# Altium PCB spd150.PcbDoc (part 2 of 16) (continued)
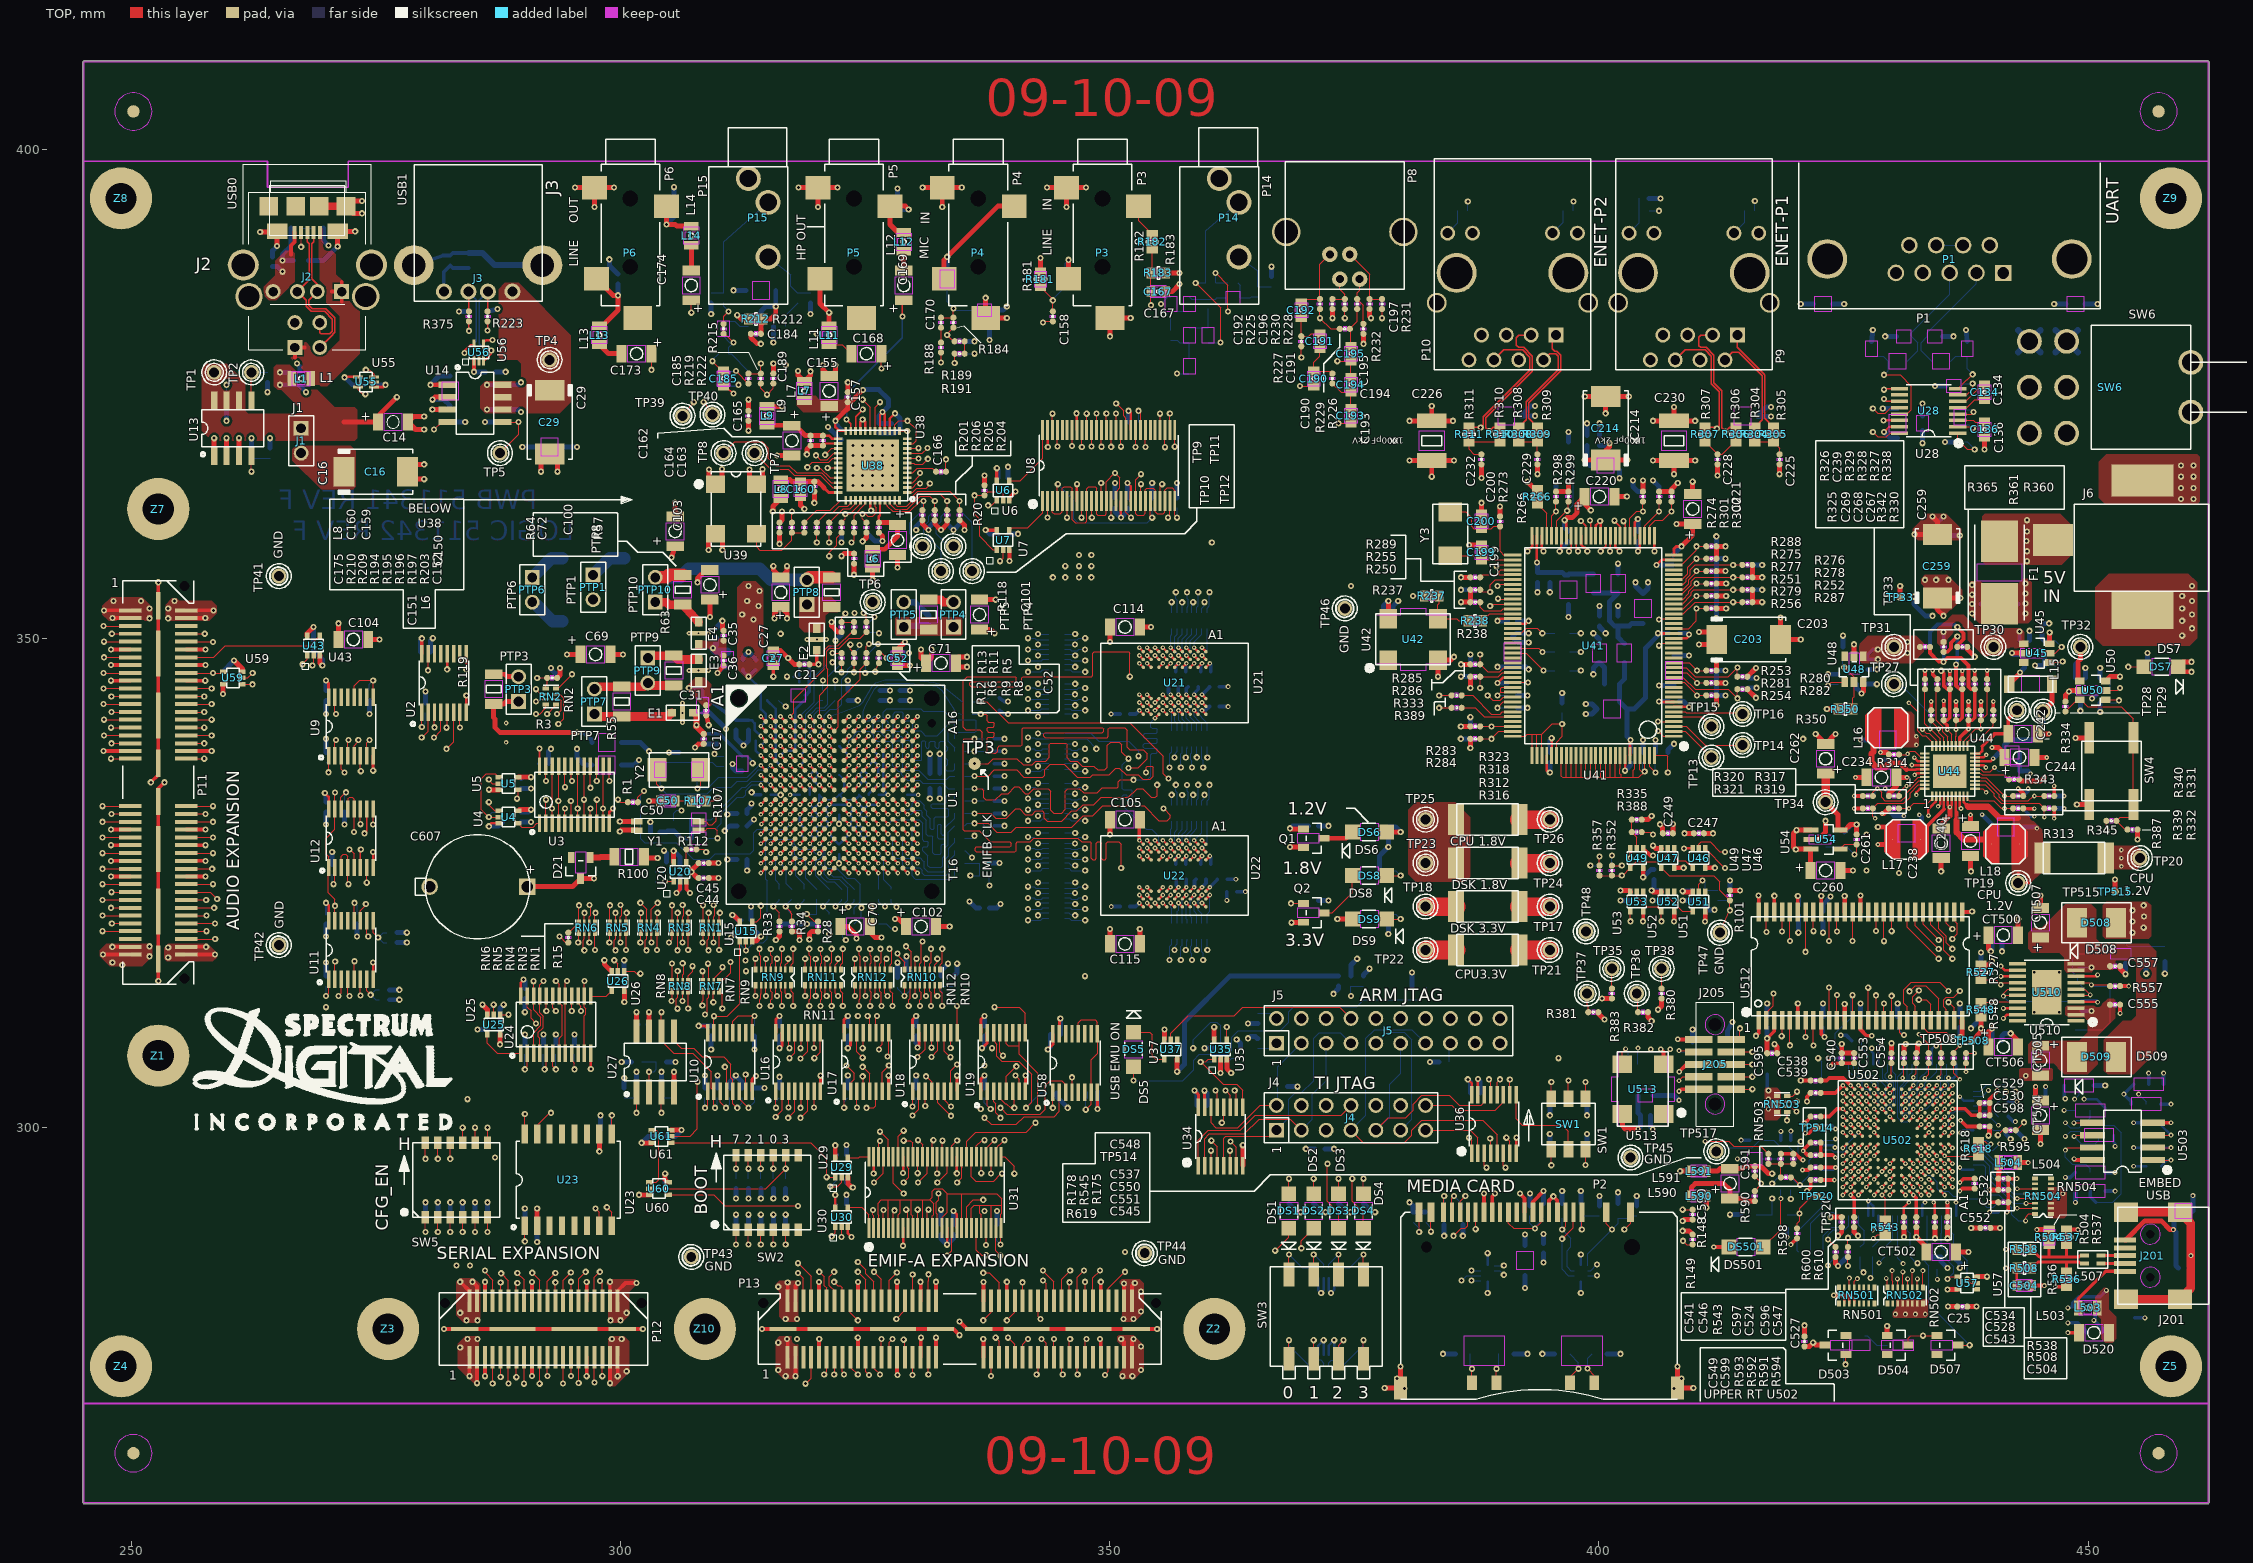
[diagram p0: TOP view]
## Components (designator, comment, footprint, x,y, rotation, side; value= is the part's Value field where it differs from the comment) (continued)
U28 "MAX3221_0_PW16-14X70_MAX3221CPW" PW16-14X70 433.705,373.253 r90 top
U29 "1G08_DCK-5_1G08" DCK-5 322.58,295.91 r0 top
U30 "1G02_0_DCK-5_1G02" DCK-5 322.58,290.83 r0 top
U31 "SN74CBT16212DGGR_DGG56-12X80_SN" DGG56-12X80 332.105,293.37 r0 top
U32 "TPDE0001RSE_RSE10_TPD6E001RSE" RSE10 398.132,285.128 r90 bottom
U33 "TPDE0001RSE_RSE10_TPD6E001RSE" RSE10 388.607,285.128 r90 bottom
U34 "SN74CBT3257_0_TSSOP16-14X70_SN7" TSSOP16-14X70 361.315,299.085 r0 top
U35 "1G032_0_DCK-5_SN74LVC1G32" DCK-5 361.315,307.975 r0 top
U36 "SN74CBT3257_0_TSSOP16-14X70_SN7" TSSOP16-14X70 389.255,300.355 r0 top
U37 "SN74LVC1GU04_0_DCK-5_SN74AHC1G1" DCK-5 356.235,307.975 r180 top
U38 "TLV320AIC3106_0_RGZ48-11X34_TVL" RGZ48-11X34 325.755,367.665 r90 top
U39 "OSC4/SM_0_XTAL4-70X78-CTX_24.57" XTAL4-70X78-CTX 311.785,363.22 r270 top
U40 "TPA4861D_SO8-25X75_TPA4861D" SO8-25X75#2 314.96,379.095 r0 bottom
U41 "KS8995_MULTI_0_PQFP128REC-12X70" PQFP128REC-12X70 399.415,349.186 r90 top
U42 "OSC_0_OSC4-71X79_50.000 MHZ" OSC4-71X79 381,349.885 r0 top
U43 "SN74LVC1G125_DCK-5_SN74CBTLV1G1" DCK-5 268.605,349.25 r0 top
U44 "TPS65023_0_RSB40-9X39_TPS65023" RSB40-9X39 435.864,336.423 r0 top
U45 "TPS3808G09DBVR_0_DBV6-27X39-6_T" DBV6-27X39-6 444.754,348.488 r270 top
U46 "1G08_DCK-5_1G08" DCK-5 410.21,327.533 r180 top
U47 "1G08_DCK-5_1G08" DCK-5 407.035,327.533 r180 top
U48 "TPS3808G09DBVR_0_DBV6-27X39-6_T" DBV6-27X39-6 426.075,346.852 r180 top
U49 "1G08_DCK-5_1G08" DCK-5 403.86,327.533 r180 top
U50 "TPS3808G09DBVR_0_DBV6-27X39-6_T" DBV6-27X39-6 450.469,344.678 r270 top
U51 "SN74LVC1GU04_1_DCK-5_SN74AHC14D" DCK-5 410.21,323.088 r180 top
U52 "SN74LVC1GU04_1_DCK-5_SN74AHC14D" DCK-5 407.035,323.088 r180 top
U53 "SN74LVC1GU04_1_DCK-5_SN74AHC14D" DCK-5 403.86,323.088 r180 top
U54 "U-TPS79901 - 1.19 TO 6.5V 200MA" SOT23-20X60-5 423.164,329.438 r270 top
U55 "TPDE0001RSE_0_DRL5-12X40_TPD2E0" DRL5-12X40 273.975,376.215 r90 top
U56 "TPDE0001RSE_0_DRL5-12X40_TPD2E0" DRL5-12X40 285.496,379.222 r0 top
U57 "SN74LVC1GU04_0_DCK-5_SN74LVC1G0" DCK-5 437.642,284.099 r90 top
U58 "SN74CBT3257PW_TSSOP16-14X70_SN7" TSSOP16-14X70 346.456,306.578 r0 top
U59 "SN74LVC1G125_DCK-5_74CBTLV1G125" DCK-5 260.35,345.948 r90 top
U60 "SN74LVC1G125_DCK-5_SN74LVC1G125" DCK-5 303.911,293.751 r270 top
U61 "1G08_DCK-5_1G08" DCK-5 304.165,299.085 r90 top
U502 "TMS320VC5409GHH_2_BGA179-13P8RD" BGA179-13P8RD 430.53,298.704 r180 top
U503 "24WC256_0_SO8-25X75-295_24WC256" SO8-25X75-295 453.517,298.577 r90 top
U510 "TPS70202PWP_0_PWP20-14X70-PAD_T" PWP20-14X70-PAD 445.77,313.804 r90 top
U511 "ACT54SXVQ100_0_TQFP-100_506173-" TQFP-100 430.53,298.704 r180 bottom
U512 "MT48LC1M16A1TGS_0_TSOP54-MICRON" TSOP54-MICRON-18X75 426.72,316.484 r0 top
U513 "CLK-4PIN_0_OSC4-71X79_24 MHZ" OSC4-71X79 404.495,303.911 r90 top
Y1 "CRYSTAL_0_XTAL4-23X47-SSP-T7_32" XTAL4-23X47-SSP-T7 304.8,330.835 r180 top
Y2 "CRYSTAL_0_XTAL2-75X94_24MHZ" XTAL2-75X94 305.943,336.55 r180 top
Y3 "CRYSTAL_0_XTAL2-75X94_NO-POP" XTAL2-75X94 384.81,360.68 r270 top
Z1 "TESTPOINT1_MHP125-250_TESTPOINT" MHP125-250 252.73,307.34 r0 top
Z2 "TESTPOINT1_MHP125-250_MNTHOLE" MHP125-250 360.68,279.4 r0 top
Z3 "TESTPOINT1_MHP125-250_MNTHOLE" MHP125-250 276.225,279.4 r0 top
Z4 "TESTPOINT1_MHP125-250_MNTHOLE" MHP125-250 248.92,275.59 r0 top
Z5 "TESTPOINT1_MHP125-250_MNTHOLE" MHP125-250 458.47,275.59 r0 top
Z7 "TESTPOINT1_MHP125-250_TESTPOINT" MHP125-250 252.73,363.22 r0 top
Z8 "TESTPOINT1_MHP125-250_MNTHOLE" MHP125-250 248.92,394.97 r0 top
Z9 "TESTPOINT1_MHP125-250_MNTHOLE" MHP125-250 458.47,394.97 r0 top
Z10 "TESTPOINT1_MHP125-250_MNTHOLE" MHP125-250 308.61,279.4 r0 top

## Footprints (in the part's own frame and the unit in brackets; to place one, negate y for a bottom-side part, rotate by r counter-clockwise, add the part's x,y. Pads: shape width x height; smd on the part's side, far side on the other; paste and mask are expansions set on the pad)
BGA54-3X9-ISSI [mil] "BGA54-3X9-ISSI"
  round 13.8 smd: A1(-126,126) A2(-94.5,126) A3(-63,126) A7(63,126) A8(94.5,126) A9(126,126) B1(-126,94.5) B2(-94.5,94.5) B3(-63,94.5) B7(63,94.5) B8(94.5,94.5) B9(126,94.5) C1(-126,63) C2(-94.5,63) C3(-63,63) C7(63,63) C8(94.5,63) C9(126,63) D1(-126,31.5) D2(-94.5,31.5) D3(-63,31.5) D7(63,31.5) D8(94.5,31.5) D9(126,31.5) E1(-126,0) E2(-94.5,0) E3(-63,0) E7(63,0) E8(94.5,0) E9(126,0) F1(-126,-31.5) F2(-94.5,-31.5) F3(-63,-31.5) F7(63,-31.5) F8(94.5,-31.5) F9(126,-31.5) G1(-126,-63) G2(-94.5,-63) G3(-63,-63) G7(63,-63) G8(94.5,-63) G9(126,-63) H1(-126,-94.5) H2(-94.5,-94.5) H3(-63,-94.5) H7(63,-94.5) H8(94.5,-94.5) H9(126,-94.5) J1(-126,-126) J2(-94.5,-126) J3(-63,-126) J7(63,-126) J8(94.5,-126) J9(126,-126)
  silkscreen extent -160,-297 160,297
BGA179-13P8RD [mm] "BGA179-13P8RD"
  round 0.351 smd: A2(-4.402,5.202) A3(-3.602,5.202) A4(-2.802,5.202) A5(-2.002,5.202) A6(-1.201,5.202) A7(-0.401,5.202) A8(0.401,5.202) A9(1.201,5.202) A10(2.002,5.202) A11(2.802,5.202) A12(3.602,5.202) A13(4.402,5.202) A14(5.202,5.202) B1(-5.202,4.402) B2(-4.402,4.402) B3(-3.602,4.402) B4(-2.802,4.402) B5(-2.002,4.402) B6(-1.201,4.402) B7(-0.401,4.402) B8(0.401,4.402) B9(1.201,4.402) B10(2.002,4.402) B11(2.802,4.402) B12(3.602,4.402) B13(4.402,4.402) B14(5.202,4.402) C1(-5.202,3.602) C2(-4.402,3.602) C3(-3.602,3.602) C4(-2.802,3.602) C5(-2.002,3.602) C6(-1.201,3.602) C7(-0.401,3.602) C8(0.401,3.602) C9(1.201,3.602) C10(2.002,3.602) C11(2.802,3.602) C12(3.602,3.602) C13(4.402,3.602) C14(5.202,3.602) D1(-5.202,2.802) D2(-4.402,2.802) D3(-3.602,2.802) D4(-2.802,2.802) D5(-2.002,2.802) D6(-1.201,2.802) D7(-0.401,2.802) D8(0.401,2.802) D9(1.201,2.802) D10(2.002,2.802) D11(2.802,2.802) D12(3.602,2.802) D13(4.402,2.802) D14(5.202,2.802) E1(-5.202,2.002) E2(-4.402,2.002) E3(-3.602,2.002) E4(-2.802,2.002) E5(-2.002,2.002) E6(-1.201,2.002) E7(-0.401,2.002) E8(0.401,2.002) E9(1.201,2.002) E10(2.002,2.002) E11(2.802,2.002) E12(3.602,2.002) E13(4.402,2.002) E14(5.202,2.002) F1(-5.202,1.201) F2(-4.402,1.201) F3(-3.602,1.201) F4(-2.802,1.201) F5(-2.002,1.201) F10(2.002,1.201) F11(2.802,1.201) F12(3.602,1.201) F13(4.402,1.201) F14(5.202,1.201) G1(-5.202,0.401) G2(-4.402,0.401) G3(-3.602,0.401) G4(-2.802,0.401) G5(-2.002,0.401) G10(2.002,0.401) G11(2.802,0.401) G12(3.602,0.401) G13(4.402,0.401) G14(5.202,0.401) H1(-5.202,-0.401) H2(-4.402,-0.401) H3(-3.602,-0.401) H4(-2.802,-0.401) H5(-2.002,-0.401) H10(2.002,-0.401) H11(2.802,-0.401) H12(3.602,-0.401) H13(4.402,-0.401) H14(5.202,-0.401) J1(-5.202,-1.201) J2(-4.402,-1.201) J3(-3.602,-1.201) J4(-2.802,-1.201) J5(-2.002,-1.201) J10(2.002,-1.201) J11(2.802,-1.201) J12(3.602,-1.201) J13(4.402,-1.201) J14(5.202,-1.201) K1(-5.202,-2.002) K2(-4.402,-2.002) K3(-3.602,-2.002) K4(-2.802,-2.002) K5(-2.002,-2.002) K6(-1.201,-2.002) K7(-0.401,-2.002) K8(0.401,-2.002) K9(1.201,-2.002) K10(2.002,-2.002) K11(2.802,-2.002) K12(3.602,-2.002) K13(4.402,-2.002) K14(5.202,-2.002) L1(-5.202,-2.802) L2(-4.402,-2.802) L3(-3.602,-2.802) L4(-2.802,-2.802) L5(-2.002,-2.802) L6(-1.201,-2.802) L7(-0.401,-2.802) L8(0.401,-2.802) L9(1.201,-2.802) L10(2.002,-2.802) L11(2.802,-2.802) L12(3.602,-2.802) L13(4.402,-2.802) L14(5.202,-2.802) M1(-5.202,-3.602) M2(-4.402,-3.602) M3(-3.602,-3.602) M4(-2.802,-3.602) M5(-2.002,-3.602) M6(-1.201,-3.602) M7(-0.401,-3.602) M8(0.401,-3.602) M9(1.201,-3.602) M10(2.002,-3.602) M11(2.802,-3.602) M12(3.602,-3.602) M13(4.402,-3.602) M14(5.202,-3.602) N1(-5.202,-4.402) N2(-4.402,-4.402) N3(-3.602,-4.402) N4(-2.802,-4.402) N5(-2.002,-4.402) N6(-1.201,-4.402) N7(-0.401,-4.402) N8(0.401,-4.402) N9(1.201,-4.402) N10(2.002,-4.402) N11(2.802,-4.402) N12(3.602,-4.402) N13(4.402,-4.402) N14(5.202,-4.402) P1(-5.202,-5.202) P2(-4.402,-5.202) P3(-3.602,-5.202) P4(-2.802,-5.202) P5(-2.002,-5.202) P6(-1.201,-5.202) P7(-0.401,-5.202) P8(0.401,-5.202) P9(1.201,-5.202) P10(2.002,-5.202) P11(2.802,-5.202) P12(3.602,-5.202) P13(4.402,-5.202) P14(5.202,-5.202)
  silkscreen extent -6.1,-6.1 6.1,6.1
C393-6545-H [mil] "C393-6545-H"
  rect 65x65 hole 47: 1(-220,0)
  round 67 hole 47: 2(173,0)
  silkscreen extent -230,-210 230,210
C402-25#1 [mil] "C402-25"
  round 25 smd: 1(20,0) 2(-20,0)
  TOP keep-out region: 5,10 5,-10 -5,-10 -5,10 5,10
  silkscreen extent -4,-4 4,4
C402-25#2 [mil] "C402-25"
  round 25 smd: 1(-20,0) 2(20,0)
  TOP keep-out region: -5,-10 -5,10 5,10 5,-10 -5,-10
  silkscreen extent -4,-4 4,4
C402-25#3 [mil] "C402-25"
  round 25 smd: 1(21.5,0) 2(-18.5,0)
  silkscreen extent -2,-4 6,4
C402-25#4 [mil] "C402-25"
  round 25 smd: 1(20,0) 2(-20,0)
  silkscreen extent -4,-4 4,4
C402-25#5 [mil] "C402-25"
  round 25 smd: 1(20,1.3) 2(-20,1.3)
  silkscreen extent -4,-3 4,5
C402-25#6 [mil] "C402-25"
  round 25 smd: 1(20,-1) 2(-20,-1)
  silkscreen extent -4,-5 4,3
C402-25#7 [mil] "C402-25"
  round 25 smd: 1(20,-1.5) 2(-20,-1.5)
  silkscreen extent -4,-5 4,2
C402-25#8 [mil] "C402-25"
  round 25 smd: 1(20,-3.5) 2(-20,-3.5)
  silkscreen extent -4,-7 4,0
C402-25#9 [mil] "C402-25"
  round 25 smd: 1(21,0) 2(-19,0)
  silkscreen extent -3,-4 5,4
C402-25#10 [mil] "C402-25"
  round 25 smd: 1(20,1) 2(-20,1)
  silkscreen extent -4,-3 4,5
C402-25#11 [mil] "C402-25"
  round 25 smd: 1(21,1) 2(-19,1)
  silkscreen extent -3,-3 5,5
C603-35X45#1 [mil] "C603-35X45"
  rrect0% 35x45 smd: 1(30,0) 2(-30,0)
  TOP keep-out region: 10,-20 -10,-20 -10,20 10,20 10,-20
  Multi-Layer keep-out region: 30,-25 -30,-25 -30,25 30,25 30,-25
  silkscreen extent -7,-7 7,7
C603-35X45#2 [mil] "C603-35X45"
  rrect0% 35x45 smd: 1(-30,0) 2(30,0)
  TOP keep-out region: -10,20 10,20 10,-20 -10,-20 -10,20
  Multi-Layer keep-out region: -30,25 30,25 30,-25 -30,-25 -30,25
  silkscreen extent -7,-7 7,7
C1206-40X70#1 [mil] "C1206-40X70"
  rrect0% 40x70 smd: 1(-60,0) 2(60,0)
  Multi-Layer keep-out region: -35,35 35,35 35,-35 -35,-35 -35,35
  silkscreen extent -25,-25 25,25
C1206-40X70#2 [mil] "C1206-40X70"
  rrect0% 40x70 smd: 1(60,0) 2(-60,0)
  Multi-Layer keep-out region: 35,-35 -35,-35 -35,35 35,35 35,-35
  silkscreen extent -25,-25 25,25
C1206-40X70-POL#1 [mil] "C1206-40X70-POL"
  rrect0% 40x70 smd: 1(60,0) 2(-60,0)
  Multi-Layer keep-out region: 35,-35 -35,-35 -35,35 35,35 35,-35
  silkscreen extent -25,-25 25,25
C1206-40X70-POL#2 [mil] "C1206-40X70-POL"
  rrect0% 40x70 smd: 1(-60,0) 2(60,0)
  Multi-Layer keep-out region: -35,35 35,35 35,-35 -35,-35 -35,35
  silkscreen extent -25,-25 25,25
C1206-40X70P [mil] "C1206-40X70P"
  rrect0% 40x70 smd: 1(-60,0) 2(60,0)
  Multi-Layer keep-out region: -35,35 35,35 35,-35 -35,-35 -35,35
  silkscreen extent -25,-25 25,25
C7343-84X118 [mil] "C7343-84X118"
  rect 84x118 smd: 1(-128,0) 2(128,0)
  silkscreen extent -150,-90 150,90
CONN2X5-AMP104652 [mil] "CONN2X5-AMP104652"
  rect 29x110 smd: 1(-100,62.5) 2(-100,-67.5) 3(-50,62.5) 4(-50,-67.5) 5(0,62.5) 6(0,-67.5) 7(50,62.5) 8(50,-67.5) 9(100,62.5) 10(100,-67.5)
  round 40 / inner round 84 / far side round 40 hole 53: " "(-160,-2.5) " "(160,-2.5)
  Multi-Layer keep-out circle w1: c-160,-2.5 r40
  Multi-Layer keep-out circle w1: c160,-2.5 r40
  silkscreen extent -250,-78 250,73
CONN8-RT-RJ45-SH-HALO [mil] "CONN8-RT-RJ45-SH-HALO"
  rect 60x60 hole 40: 1(-175,285)
  round 60 hole 40: 2(-125,385) 3(-75,285) 4(-25,385) 5(25,285) 6(75,385) 7(125,285) 8(175,385) 9(-261,-125) 10(-161,-125) 11(161,-125) 12(261,-125)
  round 160 hole 128: MH1(-225,35) MH2(225,35)
  round 80 hole 63: SH1(-305,155) SH2(305,155)
  silkscreen extent -315,-425 315,425
CONN9D-6547-RT-M [mil] "CONN9D-6547-RT-M"
  rect 65x65 hole 47: 1(216,-150)
  round 67 hole 47: 2(108,-150) 3(0,-150) 4(-108,-150) 5(-216,-150) 6(162,-38) 7(54,-38) 8(-54,-38) 9(-162,-38)
  round 160 hole 125: 10(-492,-94) 11(492,-94)
  silkscreen extent -607,-294 607,294
CONN-MMC-MHC-W21-601 [mil] "CONN-MMC-MHC-W21-601"
  rect 28x79 smd: 1(268.3,378.2) 9(366.7,378.2) 14(-484.7,378.2) 15(-437.4,378.2)
  rect 20x79 smd: 2(169.8,378.2) 3(71.4,378.2) 4(-27,378.2) 5(-125.4,378.2) 6(-223.9,378.2) 7(-319.3,378.2) 8(-386.3,378.2)
  rect 40x60 smd: 10(220,-308.1) 11(121.6,-308.1) 12(-173.7,-308.1) 13(-272.1,-308.1)
  rect 16.7x79 smd: 16(-288.6,378.2) 17(-257.3,378.2) 18(-190.4,378.2) 19(-60.5,378.2) 20(6.5,378.2) 21(38,378.2) 22(104.9,378.2) 23(136.4,378.2) 24(-352.8,378.2) 25(-158.9,378.2) 26(-92,378.2)
  rect 51x94 smd: 27(554.7,-329.1) 28(-559.5,-329.1)
  round 20 / inner round 73 / far side round 20 hole 43: " "(-455.2,238.1)
  round 40 / inner round 93 / far side round 40 hole 63: " "(371.6,238.1)
  TOP keep-out region: -303.9,-238.7 -303.9,-118.7 -141.9,-118.7 -141.9,-238.7 -303.9,-238.7
  TOP keep-out region: 90.1,-238.7 90.1,-118.7 252.1,-118.7 252.1,-238.7 90.1,-238.7
  silkscreen extent -560,-375 555,378
CUI3533-10070 [mil] "CUI3533-10070"
  round 100 hole 70: 1(-150.5,0) 2(165.5,79) 5(-54.5,79)
  silkscreen extent -354,-159 355,159
DBV6-27X39-6 [mil] "DBV6-27X39-6"
  rect 27x39 smd: 1(-37.4,-52) 2(0,-52) 3(37.4,-52) 4(37.4,52) 5(0,52) 6(-37.4,52)
  Multi-Layer keep-out region: -20,20 20,20 20,-65 -20,-65 -20,20
  silkscreen extent -60,-30 60,30
DCK-5 [mil] "DCK-5"
  rect 18.1x26 smd: 1(-25.6,-39) 2(0,-39) 3(25.6,-39) 4(25.6,39) 5(-25.6,39)
  silkscreen extent -45,-95 39,25
DGG56-12X80 [mil] "DGG56-12X80"
  rrect0% 12x80 smd: 1(-265.7,-143) 2(-246,-143) 3(-226.3,-143) 4(-206.6,-143) 5(-187,-143) 6(-167.3,-143) 7(-147.6,-143) 8(-127.9,-143) 9(-108.2,-143) 10(-88.6,-143) 11(-68.9,-143) 12(-49.2,-143) 13(-29.5,-143) 14(-9.8,-143) 15(9.8,-143) 16(29.5,-143) 17(49.2,-143) 18(68.9,-143) 19(88.6,-143) 20(108.2,-143) 21(127.9,-143) 22(147.6,-143) 23(167.3,-143) 24(187,-143) 25(206.6,-143) 26(226.3,-143) 27(246,-143) 28(265.7,-143) 29(265.7,143) 30(246,143) 31(226.3,143) 32(206.6,143) 33(187,143) 34(167.3,143) 35(147.6,143) 36(127.9,143) 37(108.2,143) 38(88.6,143) 39(68.9,143) 40(49.2,143) 41(29.5,143) 42(9.8,143) 43(-9.8,143) 44(-29.5,143) 45(-49.2,143) 46(-68.9,143) 47(-88.6,143) 48(-108.2,143) 49(-127.9,143) 50(-147.6,143) 51(-167.3,143) 52(-187,143) 53(-206.6,143) 54(-226.3,143) 55(-246,143) 56(-265.7,143)
  silkscreen extent -280,-122 280,122
DO214AA-79X110 [mil] "DO214AA-79X110"
  rect 80x120 smd: 1(-79,0) 2(79,0)
  silkscreen extent -140,-145 140,80
DRL5-12X40 [mil] "DRL5-12X40"
  rect 12x40 smd: 1(-19.7,-32) 2(0,-32) 3(19.7,-32) 4(19.7,32) 5(-19.7,32)
  silkscreen extent -65,-80 39,25
EIA1812 [mil] "EIA1812"
  rect 120x60 smd: 1(0,-80) 2(0,80)
  TOP keep-out region: -50,40 50,40 50,-40 -50,-40 -50,40
  silkscreen extent -40,-20 40,20
EMI-36X15-DLW21 [mil] "EMI-36X15-DLW21"
  rect 36x15 smd: 1(-33,16) 2(33,16) 3(33,-16) 4(-33,-16)
  silkscreen extent -60,-35 60,35
EMI-BLM31P-40X70 [mil] "EMI-BLM31P-40X70"
  rect 40x70 smd: 1(60,0) 2(-60,0)
  Multi-Layer keep-out region: 35,-35 -35,-35 -35,35 35,35 35,-35
  silkscreen extent -15,-30 15,30
EMI-NFM21P [mil] "EMI-NFM21P"
  rect 35x32 smd: 1(-44,0) 3(44,0)
  rect 20x79 smd: 2(0,0)
  silkscreen extent -65,-30 65,30
FB1806-41X70 [mil] "FB1806-41X70"
  rect 41x70 smd: 1(-85.5,0.5) 2(86.5,0.5)
  Multi-Layer keep-out region: -34.5,35.5 35.5,35.5 35.5,-34.5 -34.5,-34.5 -34.5,35.5
  silkscreen extent -90,-32 90,32
FUSEFOLDER-OMNI-BLOK [mil] "FUSEFOLDER-OMNI-BLOK"
  rect 167x150 smd: 1(-126,0) 2(126,0)
  Multi-Layer keep-out region: -35,90 35,90 35,-90 -35,-90 -35,90
  silkscreen extent -192,-100 192,100
IND_VLCF [mil] "IND_VLCF"
  oct 1x1 smd: 1(-57.5,0) 2(57.5,0)
  silkscreen extent -80,-80 80,80
JUMP1X2-6040 [mil] "JUMP1X2-6040"
  rect 60x60 hole 40: 1(0,50)
  round 60 hole 40: 2(0,-50)
  silkscreen extent -50,-100 50,100
JUMP2X7-6040 [mil] "JUMP2X7-6040"
  rect 60x60 hole 40: 1(-50,300)
  round 60 hole 40: 2(50,300) 3(-50,200) 4(50,200) 5(-50,100) 6(50,100) 7(-50,0) 8(50,0) 9(-50,-100) 10(50,-100) 11(-50,-200) 12(50,-200) 13(-50,-300) 14(50,-300)
  silkscreen extent -100,-350 100,350
JUMP2X10-6040 [mil] "JUMP2X10-6040"
  rect 60x60 hole 40: 1(-50,450)
  round 60 hole 40: 2(50,450) 3(-50,350) 4(50,350) 5(-50,250) 6(50,250) 7(-50,150) 8(50,150) 9(-50,50) 10(50,50) 11(-50,-50) 12(50,-50) 13(-50,-150) 14(50,-150) 15(-50,-250) 16(50,-250) 17(-50,-350) 18(50,-350) 19(-50,-450) 20(50,-450)
  silkscreen extent -100,-500 100,500
JUMP3-603-35X45 [mil] "JUMP3-603-35X45"
  rrect0% 35x45 smd: 1(30,0) 2(-30,0) 3(-90,0)
  TOP keep-out region: 10,-20 -10,-20 -10,20 10,20 10,-20
  TOP keep-out region: -50,-20 -70,-20 -70,20 -50,20 -50,-20
  Multi-Layer keep-out region: 30,-25 -90,-25 -90,25 30,25 30,-25
  silkscreen extent -67,-7 7,7
L603-35X45#1 [mil] "L603-35X45"
  rrect0% 35x45 smd: 1(-30,0) 2(30,0)
  TOP keep-out region: -10,20 10,20 10,-20 -10,-20 -10,20
  Multi-Layer keep-out region: -30,25 30,25 30,-25 -30,-25 -30,25
  silkscreen extent -7,-7 7,7
L603-35X45#2 [mil] "L603-35X45"
  rrect0% 35x45 smd: 1(30,0) 2(-30,0)
  TOP keep-out region: 10,-20 -10,-20 -10,20 10,20 10,-20
  Multi-Layer keep-out region: 30,-25 -30,-25 -30,25 30,25 30,-25
  silkscreen extent -7,-7 7,7
L805-35X60#1 [mil] "L805-35X60"
  rrect0% 35x60 smd: 1(-38,0) 2(38,0)
  TOP keep-out region: -15,25 15,25 15,-25 -15,-25 -15,25
  Multi-Layer keep-out region: -35,30 35,30 35,-30 -35,-30 -35,30
  silkscreen extent -10,-10 10,10
L805-35X60#2 [mil] "L805-35X60"
  rrect0% 35x60 smd: 1(38,0) 2(-38,0)
  TOP keep-out region: 15,-25 -15,-25 -15,25 15,25 15,-25
  Multi-Layer keep-out region: 35,-30 -35,-30 -35,30 35,30 35,-30
  silkscreen extent -10,-10 10,10
LED1206-59X59 [mil] "LED1206-59X59"
  rect 59x59 smd: 1(-69,0) 2(69,0)
  Multi-Layer keep-out region: -35,35 35,35 35,-35 -35,-35 -35,35
  silkscreen extent -155,-35 25,35
MELF1206-40X70 [mil] "MELF1206-40X70"
  rect 40x70 smd: 1(-60,0) 2(60,0)
  Multi-Layer keep-out region: -35,35 35,35 35,-35 -35,-35 -35,35
  silkscreen extent -25,-25 25,25
MHP125-250 [mm] "MHP125-250"
  round 6.35 hole 3.175: 1(0,0)
MOLEX-52018 [mil] "MOLEX-52018"
  round 62 hole 32: 1(-60,216) 2(-20,116) 3(20,216) 4(60,116)
  round 115 hole 95: 5(-236,26) 6(236,26)
  silkscreen extent -240,-256 240,256
OSC4-71X79 [mil] "OSC4-71X79"
  rect 71x79 smd: 1(-100,-83) 2(100,-83) 3(100,83) 4(-100,83)
  TOP keep-out region: -150,100 -50,100 -50,125 50,125 50,100 150,100 150,-100 50,-100 50,-125 -50,-125 -50,-100 -150,-100 -150,100
  silkscreen extent -150,-102 150,102
PQFP128REC-12X70 [mil] "PQFP128REC-12X70"
  rrect0% 12x70 smd: 1(-362,-324) 2(-342.3,-324) 3(-322.6,-324) 4(-302.9,-324) 5(-283.2,-324) 6(-263.5,-324) 7(-243.8,-324) 8(-224.1,-324) 9(-204.4,-324) 10(-184.7,-324) 11(-165,-324) 12(-145.3,-324) 13(-125.6,-324) 14(-105.9,-324) 15(-86.2,-324) 16(-66.5,-324) 17(-46.8,-324) 18(-27.1,-324) 19(-7.4,-324) 20(12.4,-324) 21(32.1,-324) 22(51.8,-324) 23(71.5,-324) 24(91.2,-324) 25(110.9,-324) 26(130.6,-324) 27(150.3,-324) 28(170,-324) 29(189.7,-324) 30(209.4,-324) 31(229.1,-324) 32(248.8,-324) 33(268.5,-324) 34(288.2,-324) 35(307.9,-324) 36(327.6,-324) 37(347.3,-324) 38(367,-324) 65(367,324) 66(347.3,324) 67(327.6,324) 68(307.9,324) 69(288.2,324) 70(268.5,324) 71(248.8,324) 72(229.1,324) 73(209.4,324) 74(189.7,324) 75(170,324) 76(150.3,324) 77(130.6,324) 78(110.9,324) 79(91.2,324) 80(71.5,324) 81(51.8,324) 82(32.1,324) 83(12.4,324) 84(-7.4,324) 85(-27.1,324) 86(-46.8,324) 87(-66.5,324) 88(-86.2,324) 89(-105.9,324) 90(-125.6,324) 91(-145.3,324) 92(-165,324) 93(-184.7,324) 94(-204.4,324) 95(-224.1,324) 96(-243.8,324) 97(-263.5,324) 98(-283.2,324) 99(-302.9,324) 100(-322.6,324) 101(-342.3,324) 102(-362,324)
  rrect0% 70x12 smd: 39(444.5,-246.3) 40(444.5,-226.6) 41(444.5,-206.9) 42(444.5,-187.2) 43(444.5,-167.5) 44(444.5,-147.8) 45(444.5,-128.1) 46(444.5,-108.4) 47(444.5,-88.7) 48(444.5,-69) 49(444.5,-49.3) 50(444.5,-29.6) 51(444.5,-9.9) 52(444.5,9.9) 53(444.5,29.6) 54(444.5,49.3) 55(444.5,69) 56(444.5,88.7) 57(444.5,108.4) 58(444.5,128.1) 59(444.5,147.8) 60(444.5,167.5) 61(444.5,187.2) 62(444.5,206.9) 63(444.5,226.6) 64(444.5,246.3) 103(-439.5,246.3) 104(-439.5,226.6) 105(-439.5,206.9) 106(-439.5,187.2) 107(-439.5,167.5) 108(-439.5,147.8) 109(-439.5,128.1) 110(-439.5,108.4) 111(-439.5,88.7) 112(-439.5,69) 113(-439.5,49.3) 114(-439.5,29.6) 115(-439.5,9.9) 116(-439.5,-9.9) 117(-439.5,-29.6) 118(-439.5,-49.3) 119(-439.5,-69) 120(-439.5,-88.7) 121(-439.5,-108.4) 122(-439.5,-128.1) 123(-439.5,-147.8) 124(-439.5,-167.5) 125(-439.5,-187.2) 126(-439.5,-206.9) 127(-439.5,-226.6) 128(-439.5,-246.3)
  silkscreen extent -392,-276 396,276
PW16-14X70 [mil] "PW16-14X70"
  rrect0% 14x70 smd: 1(-89.6,-117.6) 2(-64,-117.6) 3(-38.4,-117.6) 4(-12.8,-117.6) 5(12.8,-117.6) 6(38.4,-117.6) 7(64,-117.6) 8(89.6,-117.6) 9(89.6,117.6) 10(64,117.6) 11(38.4,117.6) 12(12.8,117.6) 13(-12.8,117.6) 14(-38.4,117.6) 15(-64,117.6) 16(-89.6,117.6)
  silkscreen extent -105,-90 105,90
PW24-14X70 [mil] "PW24-14X70"
  rrect0% 14x70 smd: 1(-140.8,-115) 2(-115.2,-115) 3(-89.6,-115) 4(-64,-115) 5(-38.4,-115) 6(-12.8,-115) 7(12.8,-115) 8(38.4,-115) 9(64,-115) 10(89.6,-115) 11(115.2,-115) 12(140.8,-115) 13(140.8,115) 14(115.2,115) 15(89.6,115) 16(64,115) 17(38.4,115) 18(12.8,115) 19(-12.8,115) 20(-38.4,115) 21(-64,115) 22(-89.6,115) 23(-115.2,115) 24(-140.8,115)
  silkscreen extent -160,-90 160,90
PWP20-14X70-PAD [mil] "PWP20-14X70-PAD"
  rrect0% 14x70 smd: 1(-114.7,-117.6) 2(-89.1,-117.6) 3(-63.5,-117.6) 4(-37.9,-117.6) 5(-12.3,-117.6) 6(13.3,-117.6) 7(38.9,-117.6) 8(64.5,-117.6) 9(90.1,-117.6) 10(115.7,-117.6) 11(115.7,117.6) 12(90.1,117.6) 13(64.5,117.6) 14(38.9,117.6) 15(13.3,117.6) 16(-12.3,117.6) 17(-37.9,117.6) 18(-63.5,117.6) 19(-89.1,117.6) 20(-114.7,117.6)
  rect 180x120 smd: 21(0.5,0)
  silkscreen extent -130,-90 130,90
PWR3-RASM712 [mil] "PWR3-RASM712"
  rect 130x160 smd: CENTER(26.5,268)
  rect 150x250 smd: SHUNT(-256.5,-92)
  rect 130x250 smd: SLEEVE(266.5,-92)
  silkscreen extent -178,-358 172,183
QSE_020 [mil] "QSE_020"
  rect 16x90 smd: 1(300.5,110.5) 2(300.5,-115.5) 3(269.5,110.5) 4(269.5,-115.5) 5(237.5,110.5) 6(237.5,-115.5) 7(206.5,110.5) 8(206.5,-115.5) 9(174.5,110.5) 10(174.5,-115.5) 11(143.5,110.5) 12(143.5,-115.5) 13(111.5,110.5) 14(111.5,-115.5) 15(80.5,110.5) 16(80.5,-115.5) 17(48.5,110.5) 18(48.5,-115.5) 19(17.5,110.5) 20(17.5,-115.5) 21(-13.5,110.5) 22(-13.5,-115.5) 23(-45.5,110.5) 24(-45.5,-115.5) 25(-76.5,110.5) 26(-76.5,-115.5) 27(-108.5,110.5) 28(-108.5,-115.5) 29(-139.5,110.5) 30(-139.5,-115.5) 31(-171.5,110.5) 32(-171.5,-115.5) 33(-202.5,110.5) 34(-202.5,-115.5) 35(-234.5,110.5) 36(-234.5,-115.5) 37(-265.5,110.5) 38(-265.5,-115.5) 39(-296.5,110.5) 40(-296.5,-115.5)
  rect 110x17 smd: 41(-314.5,-2.5) 44(319.5,-2.5)
  rect 185x17 smd: 42(-122.5,-2.5) 43(127.5,-2.5)
  round 20 / inner round 80 / far side round 20 hole 41: " "(-393.5,-107.5) " "(398.5,-107.5)
  silkscreen extent -418,-148 422,143
QSE_040 [mil] "QSE_040"
  rect 16x90 smd: 1(694.5,110.5) 2(694.5,-115.5) 3(663.5,110.5) 4(663.5,-115.5) 5(631.5,110.5) 6(631.5,-115.5) 7(600.5,110.5) 8(600.5,-115.5) 9(568.5,110.5) 10(568.5,-115.5) 11(537.5,110.5) 12(537.5,-115.5) 13(505.5,110.5) 14(505.5,-115.5) 15(474.5,110.5) 16(474.5,-115.5) 17(442.5,110.5) 18(442.5,-115.5) 19(411.5,110.5) 20(411.5,-115.5) 21(380.5,110.5) 22(380.5,-115.5) 23(348.5,110.5) 24(348.5,-115.5) 25(317.5,110.5) 26(317.5,-115.5) 27(285.5,110.5) 28(285.5,-115.5) 29(254.5,110.5) 30(254.5,-115.5) 31(222.5,110.5) 32(222.5,-115.5) 33(191.5,110.5) 34(191.5,-115.5) 35(159.5,110.5) 36(159.5,-115.5) 37(128.5,110.5) 38(128.5,-115.5) 39(97.5,110.5) 40(97.5,-115.5) 41(-93.5,110.5) 42(-93.5,-115.5) 43(-124.5,110.5) 44(-124.5,-115.5) 45(-156.5,110.5) 46(-156.5,-115.5) 47(-187.5,110.5) 48(-187.5,-115.5) 49(-219.5,110.5) 50(-219.5,-115.5) 51(-250.5,110.5) 52(-250.5,-115.5) 53(-282.5,110.5) 54(-282.5,-115.5) 55(-313.5,110.5) 56(-313.5,-115.5) 57(-345.5,110.5) 58(-345.5,-115.5) 59(-376.5,110.5) 60(-376.5,-115.5) 61(-407.5,110.5) 62(-407.5,-115.5) 63(-439.5,110.5) 64(-439.5,-115.5) 65(-470.5,110.5) 66(-470.5,-115.5) 67(-502.5,110.5) 68(-502.5,-115.5) 69(-533.5,110.5) 70(-533.5,-115.5) 71(-565.5,110.5) 72(-565.5,-115.5) 73(-596.5,110.5) 74(-596.5,-115.5) 75(-628.5,110.5) 76(-628.5,-115.5) 77(-659.5,110.5) 78(-659.5,-115.5) 79(-690.5,110.5) 80(-690.5,-115.5)
  rect 110x17 smd: 81(-708.5,-2.5) 84(-74.5,-2.5) 85(79.5,-2.5) 88(713.5,-2.5)
  rect 185x17 smd: 82(-516.5,-2.5) 83(-266.5,-2.5) 86(271.5,-2.5) 87(521.5,-2.5)
  round 20 / inner round 75 / far side round 20 hole 41: 89(792.5,-107.5) 90(-787.5,-107.5)
  silkscreen extent -810,-145 814,140
R402-25#1 [mil] "R402-25"
  round 25 smd: 1(-20,0) 2(20,0)
  TOP keep-out region: -5,-10 -5,10 5,10 5,-10 -5,-10
  silkscreen extent -4,-4 4,4
R402-25#2 [mil] "R402-25"
  round 25 smd: 1(20,0) 2(-20,0)
  TOP keep-out region: 5,10 5,-10 -5,-10 -5,10 5,10
  silkscreen extent -4,-4 4,4
R603-35X45#1 [mil] "R603-35X45"
  rrect0% 35x45 smd: 1(30,0) 2(-30,0)
  TOP keep-out region: 10,-20 -10,-20 -10,20 10,20 10,-20
  silkscreen extent -5,-25 5,25
R603-35X45#2 [mil] "R603-35X45"
  rrect0% 35x45 smd: 1(-30,0) 2(30,0)
  TOP keep-out region: -10,20 10,20 10,-20 -10,-20 -10,20
  silkscreen extent -5,-25 5,25
R1206-40X70 [mil] "R1206-40X70"
  rrect0% 40x70 smd: 1(-60,0) 2(60,0)
  Multi-Layer keep-out region: -35,35 35,35 35,-35 -35,-35 -35,35
  silkscreen extent -15,-30 15,30
R2512#1 [mil] "R2512"
  rect 65x125 smd: 1(127.5,0) 2(-127.5,0)
  silkscreen extent -124,-63 124,63
R2512#2 [mil] "R2512"
  rect 65x125 smd: 1(-127.5,0) 2(127.5,0)
  silkscreen extent -124,-63 124,63
RGZ48-11X34 [mil] "RGZ48-11X34"
  rect 11x34 smd: 1(-108.2,-139) 2(-88.6,-139) 3(-68.9,-139) 4(-49.2,-139) 5(-29.5,-139) 6(-9.8,-139) 7(9.8,-139) 8(29.5,-139) 9(49.2,-139) 10(68.9,-139) 11(88.6,-139) 12(108.2,-139) 25(108.2,139) 26(88.6,139) 27(68.9,139) 28(49.2,139) 29(29.5,139) 30(9.8,139) 31(-9.8,139) 32(-29.5,139) 33(-49.2,139) 34(-68.9,139) 35(-88.6,139) 36(-108.2,139)
  rect 34x11 smd: 13(139,-108.2) 14(139,-88.6) 15(139,-68.9) 16(139,-49.2) 17(139,-29.5) 18(139,-9.8) 19(139,9.8) 20(139,29.5) 21(139,49.2) 22(139,68.9) 23(139,88.6) 24(139,108.2) 37(-139,108.2) 38(-139,88.6) 39(-139,68.9) 40(-139,49.2) 41(-139,29.5) 42(-139,9.8) 43(-139,-9.8) 44(-139,-29.5) 45(-139,-49.2) 46(-139,-68.9) 47(-139,-88.6) 48(-139,-108.2)
  rect 210x210 smd: 49(0,0)
  silkscreen extent -142,-142 142,142
RPAK8-10X25-28V#1 [mil] "RPAK8-10X25-28V"
  rect 16x25 smd: 1(-32.1,-20.5) 4(32.7,-20.5) 5(32.7,20.5) 8(-32.1,20.5)
  rect 10x25 smd: 2(-9.5,-20.5) 3(10.1,-20.5) 6(10.1,20.5) 7(-9.5,20.5)
  silkscreen extent -45,-31 46,31
RPAK8-10X25-28V#2 [mil] "RPAK8-10X25-28V"
  rect 16x25 smd: 1(32.1,20.5) 4(-32.7,20.5) 5(-32.7,-20.5) 8(32.1,-20.5)
  rect 10x25 smd: 2(9.5,20.5) 3(-10.1,20.5) 6(-10.1,-20.5) 7(9.5,-20.5)
  silkscreen extent -46,-31 45,31
RPAK16-10X25-2HV#1 [mil] "RPAK16-10X25-2HV"
  rect 16x25 smd: 1(-74.1,-32) 8(69.1,-32) 9(69.1,32) 16(-74.1,32)
  rect 10x25 smd: 2(-51.5,-32) 3(-31.9,-32) 4(-12.3,-32) 5(7.3,-32) 6(26.9,-32) 7(46.5,-32) 10(46.5,32) 11(26.9,32) 12(7.3,32) 13(-12.3,32) 14(-31.9,32) 15(-51.5,32)
  silkscreen extent -88,-40 82,40
RPAK16-10X25-2HV#2 [mil] "RPAK16-10X25-2HV"
  rect 16x25 smd: 1(74.1,32) 8(-69.1,32) 9(-69.1,-32) 16(74.1,-32)
  rect 10x25 smd: 2(51.5,32) 3(31.9,32) 4(12.3,32) 5(-7.3,32) 6(-26.9,32) 7(-46.5,32) 10(-46.5,-32) 11(-26.9,-32) 12(-7.3,-32) 13(12.3,-32) 14(31.9,-32) 15(51.5,-32)
  silkscreen extent -82,-40 88,40

## Text inside footprints (layer, text, board x,y; h text height)
R368: PIN_NUMBER "2" at 454.838,347.091 h0.51; PIN_NUMBER "1" at 455.854,347.091 h0.51; ASSEMBLY_BOTTOM "220" at 455.549,347.091 h0.64; ASSEMBLY_BOTTOM "TOLERANCE" at 455.549,344.551 h0.64; ASSEMBLY_BOTTOM "USERPART#" at 455.549,343.281 h0.64; SYMBOL_PART_DIM "PAD 35X32 OV" at 458.673,342.316 h0.64; SYMBOL_PART_DIM "C402-35X32" at 458.673,343.586 h0.64; SYMBOL_PART_DIM "0" at 455.752,344.957 h0.64; SYMBOL_PART_DIM "0" at 457.886,346.761 h0.64
R369: PIN_NUMBER "1" at 371.145,330.835 h0.51; PIN_NUMBER "2" at 370.129,330.835 h0.51; ASSEMBLY_BOTTOM "1K" at 370.84,330.835 h0.64; ASSEMBLY_BOTTOM "TOLERANCE" at 370.84,328.295 h0.64; ASSEMBLY_BOTTOM "USERPART#" at 370.84,327.025 h0.64; SYMBOL_PART_DIM "PAD 35X32 OV" at 373.964,326.06 h0.64; SYMBOL_PART_DIM "C402-35X32" at 373.964,327.33 h0.64; SYMBOL_PART_DIM "0" at 371.043,328.701 h0.64; SYMBOL_PART_DIM "0" at 373.177,330.505 h0.64
R370: PIN_NUMBER "2" at 378.257,325.247 h0.51 r90; PIN_NUMBER "1" at 378.257,326.263 h0.51 r90; ASSEMBLY_BOTTOM "360" at 378.46,325.755 h0.64 r90; ASSEMBLY_BOTTOM "TOLERANCE" at 381,325.755 h0.64 r90; ASSEMBLY_BOTTOM "USERPART#" at 382.27,325.755 h0.64 r90; SYMBOL_PART_DIM "PAD 35X32 OV" at 383.235,328.879 h0.64 r90; SYMBOL_PART_DIM "C402-35X32" at 381.965,328.879 h0.64 r90; SYMBOL_PART_DIM "0" at 380.594,325.958 h0.64 r90; SYMBOL_PART_DIM "0" at 378.79,328.092 h0.64 r90
R371: PIN_NUMBER "1" at 371.145,323.215 h0.51; PIN_NUMBER "2" at 370.129,323.215 h0.51; ASSEMBLY_BOTTOM "1K" at 370.84,323.215 h0.64; ASSEMBLY_BOTTOM "TOLERANCE" at 370.84,320.675 h0.64; ASSEMBLY_BOTTOM "USERPART#" at 370.84,319.405 h0.64; SYMBOL_PART_DIM "PAD 35X32 OV" at 373.964,318.44 h0.64; SYMBOL_PART_DIM "C402-35X32" at 373.964,319.71 h0.64; SYMBOL_PART_DIM "0" at 371.043,321.081 h0.64; SYMBOL_PART_DIM "0" at 373.177,322.885 h0.64
R372: PIN_NUMBER "1" at 424.663,330.2 h1.02 r90; PIN_NUMBER "2" at 424.663,328.676 h1.02 r90; SYMB_DIM "0" at 425.577,333.121 h1.02 r90; SYMB_DIM "0" at 428.625,329.946 h1.02 r90; SYMB_DIM "R603-35X45" at 420.243,334.772 h1.02 r90; SYMB_DIM "SP  35X45OV" at 426.466,324.739 h1.02 r90; SYMB_DIM "SM  43X53OV" at 424.688,324.739 h1.02 r90; SYMB_DIM "PAD 35X45OV" at 423.164,324.739 h1.02 r90; ASSEMBLY_BOTTOM "X" at 425.45,328.422 h1.02 r90; ASSEMBLY_BOTTOM "X" at 425.45,329.311 h1.02 r90; ASSEMBLY_BOTTOM "15K 1%" at 425.45,330.073 h1.02 r90
R373: PIN_NUMBER "1" at 422.758,328.676 h1.02 r270; PIN_NUMBER "2" at 422.758,330.2 h1.02 r270; SYMB_DIM "0" at 422.656,325.755 h1.02 r270; SYMB_DIM "0" at 419.608,328.93 h1.02 r270; SYMB_DIM "R603-35X45" at 427.99,324.104 h1.02 r270; SYMB_DIM "SP  35X45OV" at 421.767,334.137 h1.02 r270; SYMB_DIM "SM  43X53OV" at 423.545,334.137 h1.02 r270; SYMB_DIM "PAD 35X45OV" at 425.069,334.137 h1.02 r270; ASSEMBLY_BOTTOM "X" at 422.783,330.454 h1.02 r270; ASSEMBLY_BOTTOM "X" at 422.783,329.565 h1.02 r270; ASSEMBLY_BOTTOM "220K 1%" at 422.783,328.803 h1.02 r270
R374: PIN_NUMBER "1" at 378.257,320.802 h0.51 r270; PIN_NUMBER "2" at 378.257,321.818 h0.51 r270; ASSEMBLY_BOTTOM "220" at 378.46,321.31 h0.64 r270; ASSEMBLY_BOTTOM "TOLERANCE" at 375.92,321.31 h0.64 r270; ASSEMBLY_BOTTOM "USERPART#" at 374.65,321.31 h0.64 r270; SYMBOL_PART_DIM "PAD 35X32 OV" at 373.685,318.186 h0.64 r270; SYMBOL_PART_DIM "C402-35X32" at 374.955,318.186 h0.64 r270; SYMBOL_PART_DIM "0" at 376.326,321.107 h0.64 r270; SYMBOL_PART_DIM "0" at 378.13,318.973 h0.64 r270
R375: PIN_NUMBER "2" at 284.277,383.413 h0.51 r90; PIN_NUMBER "1" at 284.277,382.397 h0.51 r90; ASSEMBLY_TOP "24.9 1%" at 284.48,382.905 h0.64 r90; ASSEMBLY_TOP "TOLERANCE" at 287.02,382.905 h0.64 r90; ASSEMBLY_TOP "USERPART#" at 288.29,382.905 h0.64 r90; SYMBOL_PART_DIM "PAD 35X32 OV" at 289.255,379.781 h0.64 r90; SYMBOL_PART_DIM "C402-35X32" at 287.985,379.781 h0.64 r90; SYMBOL_PART_DIM "0" at 286.614,382.702 h0.64 r90; SYMBOL_PART_DIM "0" at 284.81,380.568 h0.64 r90
R376: PIN_NUMBER "1" at 279.832,291.338 h0.51 r90; PIN_NUMBER "2" at 279.832,290.322 h0.51 r90; ASSEMBLY_BOTTOM "100" at 280.035,290.83 h0.64 r90; ASSEMBLY_BOTTOM "TOLERANCE" at 282.575,290.83 h0.64 r90; ASSEMBLY_BOTTOM "USERPART#" at 283.845,290.83 h0.64 r90; SYMBOL_PART_DIM "PAD 35X32 OV" at 284.81,293.954 h0.64 r90; SYMBOL_PART_DIM "C402-35X32" at 283.54,293.954 h0.64 r90; SYMBOL_PART_DIM "0" at 282.169,291.033 h0.64 r90; SYMBOL_PART_DIM "0" at 280.365,293.167 h0.64 r90
R377: PIN_NUMBER "1" at 281.102,291.338 h0.51 r90; PIN_NUMBER "2" at 281.102,290.322 h0.51 r90; ASSEMBLY_BOTTOM "100" at 281.305,290.83 h0.64 r90; ASSEMBLY_BOTTOM "TOLERANCE" at 283.845,290.83 h0.64 r90; ASSEMBLY_BOTTOM "USERPART#" at 285.115,290.83 h0.64 r90; SYMBOL_PART_DIM "PAD 35X32 OV" at 286.08,293.954 h0.64 r90; SYMBOL_PART_DIM "C402-35X32" at 284.81,293.954 h0.64 r90; SYMBOL_PART_DIM "0" at 283.439,291.033 h0.64 r90; SYMBOL_PART_DIM "0" at 281.635,293.167 h0.64 r90
R378: PIN_NUMBER "1" at 282.372,291.338 h0.51 r90; PIN_NUMBER "2" at 282.372,290.322 h0.51 r90; ASSEMBLY_BOTTOM "100" at 282.575,290.83 h0.64 r90; ASSEMBLY_BOTTOM "TOLERANCE" at 285.115,290.83 h0.64 r90; ASSEMBLY_BOTTOM "USERPART#" at 286.385,290.83 h0.64 r90; SYMBOL_PART_DIM "PAD 35X32 OV" at 287.35,293.954 h0.64 r90; SYMBOL_PART_DIM "C402-35X32" at 286.08,293.954 h0.64 r90; SYMBOL_PART_DIM "0" at 284.709,291.033 h0.64 r90; SYMBOL_PART_DIM "0" at 282.905,293.167 h0.64 r90
R379: PIN_NUMBER "1" at 283.642,291.338 h0.51 r90; PIN_NUMBER "2" at 283.642,290.322 h0.51 r90; ASSEMBLY_BOTTOM "100" at 283.845,290.83 h0.64 r90; ASSEMBLY_BOTTOM "TOLERANCE" at 286.385,290.83 h0.64 r90; ASSEMBLY_BOTTOM "USERPART#" at 287.655,290.83 h0.64 r90; SYMBOL_PART_DIM "PAD 35X32 OV" at 288.62,293.954 h0.64 r90; SYMBOL_PART_DIM "C402-35X32" at 287.35,293.954 h0.64 r90; SYMBOL_PART_DIM "0" at 285.979,291.033 h0.64 r90; SYMBOL_PART_DIM "0" at 284.175,293.167 h0.64 r90
R380: PIN_NUMBER "1" at 406.197,314.198 h0.51 r270; PIN_NUMBER "2" at 406.197,313.182 h0.51 r270; ASSEMBLY_TOP "0" at 406.4,313.69 h0.64 r270; ASSEMBLY_TOP "TOLERANCE" at 403.86,313.69 h0.64 r270; ASSEMBLY_TOP "USERPART#" at 402.59,313.69 h0.64 r270; SYMBOL_PART_DIM "PAD 35X32 OV" at 401.625,316.814 h0.64 r270; SYMBOL_PART_DIM "C402-35X32" at 402.895,316.814 h0.64 r270; SYMBOL_PART_DIM "0" at 404.266,313.893 h0.64 r270; SYMBOL_PART_DIM "0" at 406.07,316.027 h0.64 r270
R381: PIN_NUMBER "1" at 398.704,311.785 h0.51; PIN_NUMBER "2" at 399.72,311.785 h0.51; ASSEMBLY_TOP "0" at 399.415,311.785 h0.64; ASSEMBLY_TOP "TOLERANCE" at 399.415,309.245 h0.64; ASSEMBLY_TOP "USERPART#" at 399.415,307.975 h0.64; SYMBOL_PART_DIM "PAD 35X32 OV" at 396.291,307.01 h0.64; SYMBOL_PART_DIM "C402-35X32" at 396.291,308.28 h0.64; SYMBOL_PART_DIM "0" at 399.212,309.651 h0.64; SYMBOL_PART_DIM "0" at 397.078,311.455 h0.64
R382: PIN_NUMBER "1" at 403.784,311.785 h0.51; PIN_NUMBER "2" at 404.8,311.785 h0.51; ASSEMBLY_TOP "0" at 404.495,311.785 h0.64; ASSEMBLY_TOP "TOLERANCE" at 404.495,309.245 h0.64; ASSEMBLY_TOP "USERPART#" at 404.495,307.975 h0.64; SYMBOL_PART_DIM "PAD 35X32 OV" at 401.371,307.01 h0.64; SYMBOL_PART_DIM "C402-35X32" at 401.371,308.28 h0.64; SYMBOL_PART_DIM "0" at 404.292,309.651 h0.64; SYMBOL_PART_DIM "0" at 402.158,311.455 h0.64
R383: PIN_NUMBER "1" at 401.117,314.198 h0.51 r270; PIN_NUMBER "2" at 401.117,313.182 h0.51 r270; ASSEMBLY_TOP "0" at 401.32,313.69 h0.64 r270; ASSEMBLY_TOP "TOLERANCE" at 398.78,313.69 h0.64 r270; ASSEMBLY_TOP "USERPART#" at 397.51,313.69 h0.64 r270; SYMBOL_PART_DIM "PAD 35X32 OV" at 396.545,316.814 h0.64 r270; SYMBOL_PART_DIM "C402-35X32" at 397.815,316.814 h0.64 r270; SYMBOL_PART_DIM "0" at 399.186,313.893 h0.64 r270; SYMBOL_PART_DIM "0" at 400.99,316.027 h0.64 r270
R384: PIN_NUMBER "1" at 343.332,303.53 h0.51 r180; PIN_NUMBER "2" at 344.348,303.53 h0.51 r180; ASSEMBLY_BOTTOM "2K" at 344.043,303.53 h0.64 r180; ASSEMBLY_BOTTOM "TOLERANCE" at 344.043,306.07 h0.64 r180; ASSEMBLY_BOTTOM "USERPART#" at 344.043,307.34 h0.64 r180; SYMBOL_PART_DIM "PAD 35X32 OV" at 340.919,308.305 h0.64 r180; SYMBOL_PART_DIM "C402-35X32" at 340.919,307.035 h0.64 r180; SYMBOL_PART_DIM "0" at 343.84,305.664 h0.64 r180; SYMBOL_PART_DIM "0" at 341.706,303.86 h0.64 r180
R385: PIN_NUMBER "2" at 284.912,290.322 h0.51 r90; PIN_NUMBER "1" at 284.912,291.338 h0.51 r90; ASSEMBLY_BOTTOM "100" at 285.115,290.83 h0.64 r90; ASSEMBLY_BOTTOM "TOLERANCE" at 287.655,290.83 h0.64 r90; ASSEMBLY_BOTTOM "USERPART#" at 288.925,290.83 h0.64 r90; SYMBOL_PART_DIM "PAD 35X32 OV" at 289.89,293.954 h0.64 r90; SYMBOL_PART_DIM "C402-35X32" at 288.62,293.954 h0.64 r90; SYMBOL_PART_DIM "0" at 287.249,291.033 h0.64 r90; SYMBOL_PART_DIM "0" at 285.445,293.167 h0.64 r90
R386: PIN_NUMBER "2" at 286.182,290.322 h0.51 r90; PIN_NUMBER "1" at 286.182,291.338 h0.51 r90; ASSEMBLY_BOTTOM "100" at 286.385,290.83 h0.64 r90; ASSEMBLY_BOTTOM "TOLERANCE" at 288.925,290.83 h0.64 r90; ASSEMBLY_BOTTOM "USERPART#" at 290.195,290.83 h0.64 r90; SYMBOL_PART_DIM "PAD 35X32 OV" at 291.16,293.954 h0.64 r90; SYMBOL_PART_DIM "C402-35X32" at 289.89,293.954 h0.64 r90; SYMBOL_PART_DIM "0" at 288.519,291.033 h0.64 r90; SYMBOL_PART_DIM "0" at 286.715,293.167 h0.64 r90
R387: PIN_NUMBER "2" at 453.822,330.454 h0.51 r180; PIN_NUMBER "1" at 454.838,330.454 h0.51 r180; ASSEMBLY_TOP "10K" at 454.533,330.454 h0.64 r180; ASSEMBLY_TOP "TOLERANCE" at 454.533,332.994 h0.64 r180; ASSEMBLY_TOP "USERPART#" at 454.533,334.264 h0.64 r180; SYMBOL_PART_DIM "PAD 35X32 OV" at 457.657,335.229 h0.64 r180; SYMBOL_PART_DIM "C402-35X32" at 457.657,333.959 h0.64 r180; SYMBOL_PART_DIM "0" at 454.736,332.588 h0.64 r180; SYMBOL_PART_DIM "0" at 456.87,330.784 h0.64 r180
R388: PIN_NUMBER "2" at 403.149,330.2 h0.51 r180; PIN_NUMBER "1" at 404.165,330.2 h0.51 r180; ASSEMBLY_TOP "0" at 403.86,330.2 h0.64 r180; ASSEMBLY_TOP "TOLERANCE" at 403.86,332.74 h0.64 r180; ASSEMBLY_TOP "USERPART#" at 403.86,334.01 h0.64 r180; SYMBOL_PART_DIM "PAD 35X32 OV" at 406.984,334.975 h0.64 r180; SYMBOL_PART_DIM "C402-35X32" at 406.984,333.705 h0.64 r180; SYMBOL_PART_DIM "0" at 404.063,332.334 h0.64 r180; SYMBOL_PART_DIM "0" at 406.197,330.53 h0.64 r180
R389: PIN_NUMBER "2" at 385.75,342.9 h0.51; PIN_NUMBER "1" at 384.734,342.9 h0.51; ASSEMBLY_TOP "0" at 385.445,342.9 h0.64; ASSEMBLY_TOP "TOLERANCE" at 385.445,340.36 h0.64; ASSEMBLY_TOP "USERPART#" at 385.445,339.09 h0.64; SYMBOL_PART_DIM "PAD 35X32 OV" at 382.321,338.125 h0.64; SYMBOL_PART_DIM "C402-35X32" at 382.321,339.395 h0.64; SYMBOL_PART_DIM "0" at 385.242,340.766 h0.64; SYMBOL_PART_DIM "0" at 383.108,342.57 h0.64
R390: PIN_NUMBER "1" at 366.319,385.953 h0.51 r270; PIN_NUMBER "2" at 366.319,386.969 h0.51 r270; ASSEMBLY_BOTTOM "0" at 366.522,386.461 h0.64 r270; ASSEMBLY_BOTTOM "TOLERANCE" at 363.982,386.461 h0.64 r270; ASSEMBLY_BOTTOM "USERPART#" at 362.712,386.461 h0.64 r270; SYMBOL_PART_DIM "PAD 35X32 OV" at 361.747,383.337 h0.64 r270; SYMBOL_PART_DIM "C402-35X32" at 363.017,383.337 h0.64 r270; SYMBOL_PART_DIM "0" at 364.388,386.258 h0.64 r270; SYMBOL_PART_DIM "0" at 366.192,384.124 h0.64 r270
R391: PIN_NUMBER "2" at 267.691,388.62 h1.02 r180; PIN_NUMBER "1" at 266.167,388.62 h1.02 r180; SYMB_DIM "0" at 263.652,389.128 h1.02 r180; SYMB_DIM "0" at 266.827,392.176 h1.02 r180; SYMB_DIM "R603-35X45" at 262.001,383.794 h1.02 r180; SYMB_DIM "SP  35X45OV" at 272.034,390.017 h1.02 r180; SYMB_DIM "SM  43X53OV" at 272.034,388.239 h1.02 r180; SYMB_DIM "PAD 35X45OV" at 272.034,386.715 h1.02 r180; ASSEMBLY_BOTTOM "X" at 268.351,389.001 h1.02 r180; ASSEMBLY_BOTTOM "X" at 267.462,389.001 h1.02 r180; ASSEMBLY_BOTTOM "1M" at 266.7,389.001 h1.02 r180
R392: PIN_NUMBER "2" at 284.074,389.382 h1.02 r270; PIN_NUMBER "1" at 284.074,387.858 h1.02 r270; SYMB_DIM "0" at 283.972,384.937 h1.02 r270; SYMB_DIM "0" at 280.924,388.112 h1.02 r270; SYMB_DIM "R603-35X45" at 289.306,383.286 h1.02 r270; SYMB_DIM "SP  35X45OV" at 283.083,393.319 h1.02 r270; SYMB_DIM "SM  43X53OV" at 284.861,393.319 h1.02 r270; SYMB_DIM "PAD 35X45OV" at 286.385,393.319 h1.02 r270; ASSEMBLY_BOTTOM "X" at 284.099,389.636 h1.02 r270; ASSEMBLY_BOTTOM "X" at 284.099,388.747 h1.02 r270; ASSEMBLY_BOTTOM "1M" at 284.099,387.985 h1.02 r270
R393: PIN_NUMBER "1" at 284.277,382.397 h0.51 r270; PIN_NUMBER "2" at 284.277,383.413 h0.51 r270; ASSEMBLY_BOTTOM "15K" at 284.48,382.905 h0.64 r270; ASSEMBLY_BOTTOM "TOLERANCE" at 281.94,382.905 h0.64 r270; ASSEMBLY_BOTTOM "USERPART#" at 280.67,382.905 h0.64 r270; SYMBOL_PART_DIM "PAD 35X32 OV" at 279.705,379.781 h0.64 r270; SYMBOL_PART_DIM "C402-35X32" at 280.975,379.781 h0.64 r270; SYMBOL_PART_DIM "0" at 282.346,382.702 h0.64 r270; SYMBOL_PART_DIM "0" at 284.15,380.568 h0.64 r270
R394: PIN_NUMBER "2" at 315.9,343.662 h0.51 r90; PIN_NUMBER "1" at 315.9,344.678 h0.51 r90; ASSEMBLY_BOTTOM "NO-POP" at 316.103,344.17 h0.64 r90; ASSEMBLY_BOTTOM "TOLERANCE" at 318.643,344.17 h0.64 r90; ASSEMBLY_BOTTOM "USERPART#" at 319.913,344.17 h0.64 r90; SYMBOL_PART_DIM "PAD 35X32 OV" at 320.878,347.294 h0.64 r90; SYMBOL_PART_DIM "C402-35X32" at 319.608,347.294 h0.64 r90; SYMBOL_PART_DIM "0" at 318.237,344.373 h0.64 r90; SYMBOL_PART_DIM "0" at 316.433,346.507 h0.64 r90
R395: PIN_NUMBER "2" at 314.757,343.662 h0.51 r90; PIN_NUMBER "1" at 314.757,344.678 h0.51 r90; ASSEMBLY_BOTTOM "NO-POP" at 314.96,344.17 h0.64 r90; ASSEMBLY_BOTTOM "TOLERANCE" at 317.5,344.17 h0.64 r90; ASSEMBLY_BOTTOM "USERPART#" at 318.77,344.17 h0.64 r90; SYMBOL_PART_DIM "PAD 35X32 OV" at 319.735,347.294 h0.64 r90; SYMBOL_PART_DIM "C402-35X32" at 318.465,347.294 h0.64 r90; SYMBOL_PART_DIM "0" at 317.094,344.373 h0.64 r90; SYMBOL_PART_DIM "0" at 315.29,346.507 h0.64 r90